# KiCad board DecentXL-keyboard.kicad_pcb
title: DecentXL keyboard - Modern; date: 2024-01-02; rev: 4
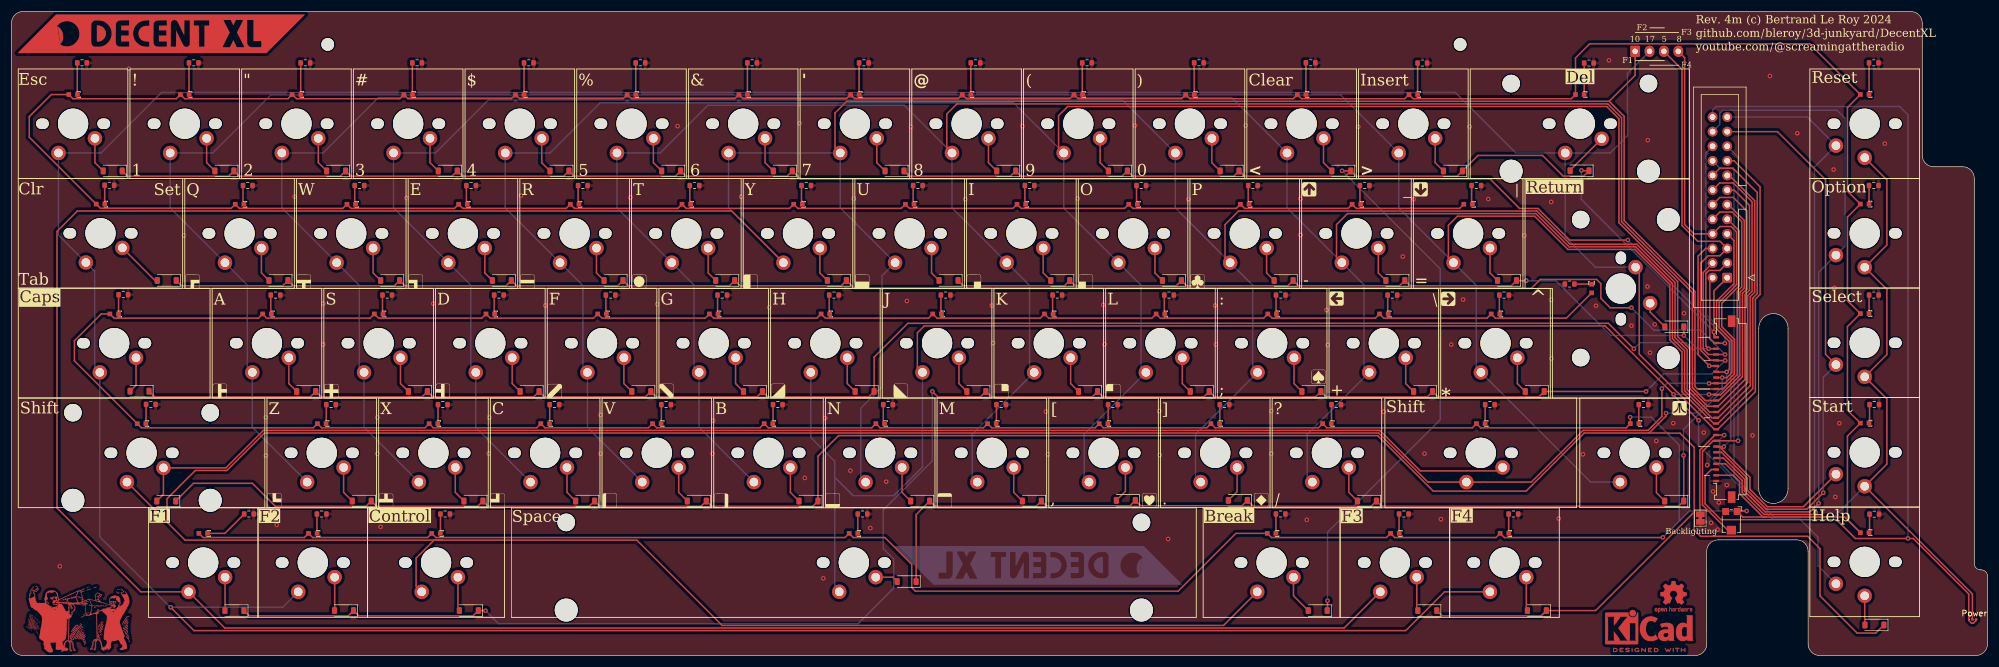
[diagram p0: board, top side]
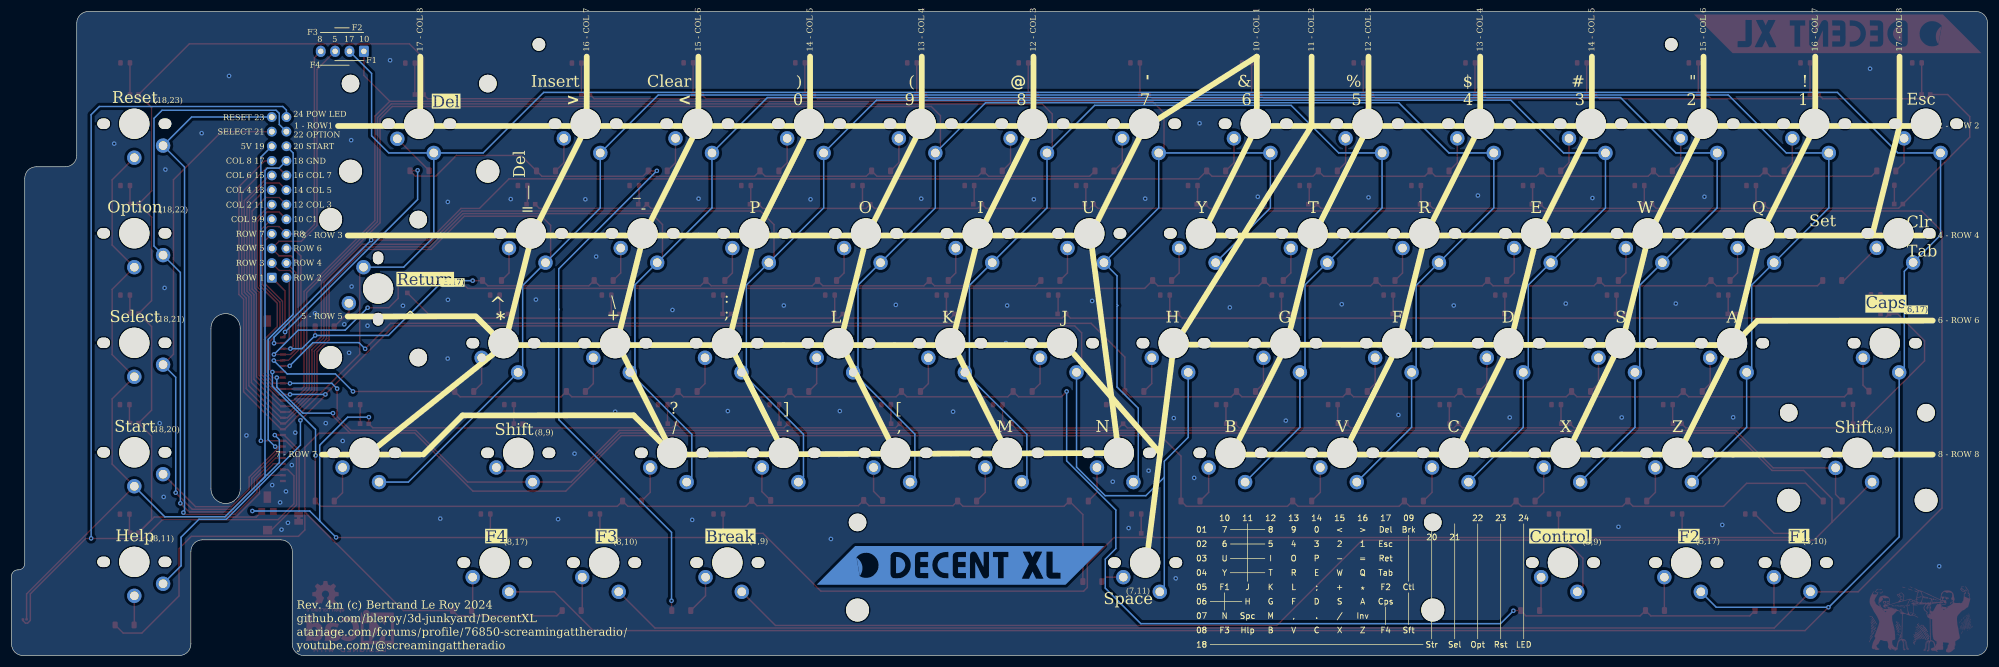
[diagram p1: board, bottom side, seen from below]

Outline 343.52 x 112 mm; copper layers: Top, Bottom. Coordinates in mm from the lower left corner of the outline.
Outline path: 0,110 arc(0.59,111.41) 2,112 330.18,112 arc(331.59,111.41) 332.18,110 332.18,87 arc(332.76,85.59) 334.18,85 339.22,85 arc(340.63,84.41) 341.22,83 341.22,15.99 arc(341.54,15.22) 342.31,14.9 342.43,14.89 arc(343.2,14.57) 343.52,13.8 343.52,2 arc(342.93,0.59) 341.52,0 314.33,0 arc(312.92,0.59) 312.33,2 312.33,18.11 arc(311.75,19.53) 310.33,20.11 296.71,20.11 arc(295.29,19.53) 294.71,18.11 294.72,2 arc(294.13,0.59) 292.72,0 2,0 arc(0.59,0.59) 0,2 0,110 ; 303.76,56.92 303.76,28.98 arc(306.3,26.44) 308.84,28.98 308.84,56.92 arc(306.3,59.46) 303.76,56.92

## Placement (name value [footprint] x y rotation side)
D1  1N4148W  [D_SOD-123]  153.51 84.27 180 top
D2  1N4148W  [D_SOD-123]  134.09 84.27 180 top
D3  1N4148W  [D_SOD-123]  162.91 65.22 180 top
D4  1N4148W  [D_SOD-123]  143.49 65.22 180 top
D5  1N4148W  [D_SOD-123]  38.76 7.82 180 top
D6  1N4148W  [D_SOD-123]  157.97 26.87 180 top
D7  1N4148W  [D_SOD-123]  246.13 7.82 180 top
D8  1N4148W  [D_SOD-123]  167.73 45.92 180 top
D9  1N4148W  [D_SOD-123]  148.32 45.92 180 top
D10  1N4148W  [D_SOD-123]  155.62 12.86 180 top
D11  1N4148W  [D_SOD-123]  323.86 5.31 180 top
D12  1N4148W  [D_SOD-123]  172.93 84.27 180 top
D13  1N4148W  [D_SOD-123]  114.68 84.27 180 top
D14  1N4148W  [D_SOD-123]  182.32 65.22 180 top
D15  1N4148W  [D_SOD-123]  124.08 65.22 180 top
D16  1N4148W  [D_SOD-123]  187.15 45.92 180 top
D17  1N4148W  [D_SOD-123]  128.9 45.92 180 top
D18  1N4148W  [D_SOD-123]  177.39 26.87 180 top
D19  1N4148W  [D_SOD-123]  138.55 26.87 180 top
D20  1N4148W  [D_SOD-123]  192.34 84.27 180 top
D21  1N4148W  [D_SOD-123]  95.26 84.27 180 top
D22  1N4148W  [D_SOD-123]  201.74 65.22 180 top
D23  1N4148W  [D_SOD-123]  104.66 65.22 180 top
D24  1N4148W  [D_SOD-123]  206.57 45.92 180 top
D25  1N4148W  [D_SOD-123]  109.49 45.92 180 top
D26  1N4148W  [D_SOD-123]  193.72 26.98 180 top
D27  1N4148W  [D_SOD-123]  119.14 26.87 180 top
D28  1N4148W  [D_SOD-123]  211.76 84.27 180 top
D29  1N4148W  [D_SOD-123]  75.84 84.27 180 top
D30  1N4148W  [D_SOD-123]  221.16 65.22 180 top
D31  1N4148W  [D_SOD-123]  85.24 65.22 180 top
D32  1N4148W  [D_SOD-123]  225.98 45.92 180 top
D33  1N4148W  [D_SOD-123]  90.07 45.92 180 top
D34  1N4148W  [D_SOD-123]  213.19 26.98 180 top
D35  1N4148W  [D_SOD-123]  99.72 26.87 180 top
D36  1N4148W  [D_SOD-123]  231.18 84.27 180 top
D37  1N4148W  [D_SOD-123]  56.43 84.27 180 top
D38  1N4148W  [D_SOD-123]  240.57 65.22 180 top
D39  1N4148W  [D_SOD-123]  65.83 65.22 180 top
D40  1N4148W  [D_SOD-123]  245.4 45.92 180 top
D41  1N4148W  [D_SOD-123]  70.65 45.92 180 top
D42  1N4148W  [D_SOD-123]  235.64 26.87 180 top
D43  1N4148W  [D_SOD-123]  80.3 26.87 180 top
D44  1N4148W  [D_SOD-123]  250.59 84.27 180 top
D45  1N4148W  [D_SOD-123]  37.01 84.27 180 top
D46  1N4148W  [D_SOD-123]  259.99 65.22 180 top
D47  1N4148W  [D_SOD-123]  46.41 65.22 180 top
D48  1N4148W  [D_SOD-123]  264.82 45.92 180 top
D49  1N4148W  [D_SOD-123]  51.24 45.92 180 top
D50  1N4148W  [D_SOD-123]  289.06 26.87 180 top
D51  1N4148W  [D_SOD-123]  60.89 26.87 180 top
D52  1N4148W  [D_SOD-123]  272.6 84.3 180 top
D53  1N4148W  [D_SOD-123]  17.6 84.27 180 top
D54  1N4148W  [D_SOD-123]  289.08 57.17 180 top
D55  1N4148W  [D_SOD-123]  26.99 65.22 180 top
D56  1N4148W  [D_SOD-123]  57.81 7.82 180 top
D57  1N4148W  [D_SOD-123]  22.26 45.97 180 top
D58  1N4148W  [D_SOD-123]  265.18 7.82 180 top
D59  1N4148W  [D_SOD-123]  227.08 7.82 180 top
D60  1N4148W  [D_SOD-123]  79.51 7.82 180 top
D61  1N4148W  [D_SOD-123]  26.91 26.87 180 top
G***  -  [LOGO]  147.89 65.03 0 top
G***#2  -  [LOGO]  133.27 46.03 0 top
G***#3  -  [LOGO]  94.44 45.98 0 top
G***#4  -  [LOGO]  227.22 48.45 0 top
G***#5  -  [LOGO]  103.99 26.98 0 top
G***#6  -  [LOGO]  154.59 46.03 0 top
G***#7  -  [LOGO]  128.47 65.03 0 top
G***#8  -  [LOGO]  55.61 45.98 0 top
G***#9  -  [LOGO]  84.52 26.93 0 top
G***#10  -  [LOGO]  113.86 46.03 0 top
G***#11  -  [LOGO]  289.99 43.03 0 top
G***#12  -  [LOGO]  167.31 65.03 0 top
G***#13  -  [LOGO]  162.24 26.98 0 top
G***#14  -  [LOGO]  50.81 65.03 0 top
G***#15  -  [LOGO]  230.36 62.08 270 top
G***#16  -  [LOGO]  217.27 27 0 top
G***#17  -  [LOGO]  45.69 26.98 0 top
G***#18  -  [LOGO]  244.97 81.08 0 top
G***#19  -  [LOGO]  123.36 26.93 0 top
G***#20  -  [LOGO]  186.77 65.03 0 top
G***#21  -  [LOGO]  31.44 65.03 0 top
G***#22  -  [LOGO]  172.11 45.98 0 top
G***#23  -  [LOGO]  191.52 45.98 0 top
G***#24  -  [LOGO]  36.19 46.03 0 top
G***#25  -  [LOGO]  142.77 26.98 0 top
G***#26  -  [LOGO]  89.69 65.03 0 top
G***#27  -  [LOGO]  109.11 65.03 0 top
G***#28  -  [LOGO]  225.61 81.08 180 top
G***#29  -  [LOGO]  197.81 27 0 top
G***#30  -  [LOGO]  74.97 46.03 0 top
G***#31  -  [LOGO]  65.11 26.93 0 top
G***#32  LOGO  [ScreamingAtTheRadio]  11.67 7.36 0 top
G***#33  -  [LOGO]  26.05 108.14 0 top
G***#34  -  [LOGO]  206.19 65.03 0 top
G***#35  -  [LOGO]  249.77 62.03 90 top
G***#36  -  [LOGO]  70.27 65.03 0 top
G***#37  -  [DecentXL Logo]  178.54 15.7 180 bottom
J1  Conn_02x12_Odd_Even  [IDC-Header_2x12_P2.54mm_Vertical]  298.27 65.71 180 top
J2  Conn_01x26  [Molex_200528-0260_1x26-1MP_P1.00mm_Horizontal]  297.25 42.85 90 top
J3  Conn_01x04  [JST_EH_S4B-EH_1x04_P2.50mm_Horizontal]  282.26 105.08 0 bottom
JP2  SolderJumper_2_Bridged  [SolderJumper-2_P1.3mm_Bridged_Pad1.0x1.5mm]  293.6 23.9 270 top
Power  LED  [LED_0201_0603Metric]  341.22 6.28 0 top
R1  100  [R_0603_1608Metric]  148.18 103.07 0 top
R2  100  [R_0603_1608Metric]  128.76 103.07 0 top
R3  100  [R_0603_1608Metric]  157.57 81.73 0 top
R4  100  [R_0603_1608Metric]  138.16 81.73 0 top
R5  100  [R_0603_1608Metric]  41.28 24.61 0 top
R6  100  [R_0603_1608Metric]  152.38 43.63 0 top
R7  100  [R_0603_1608Metric]  242.05 24.61 0 top
R8  100  [R_0603_1608Metric]  162.4 62.68 0 top
R9  100  [R_0603_1608Metric]  142.98 62.68 0 top
R10  100  [R_0603_1608Metric]  147.95 24.61 0 top
R11  100  [R_0603_1608Metric]  323.84 24.58 0 top
R12  100  [R_0603_1608Metric]  167.59 103.07 0 top
R13  100  [R_0603_1608Metric]  109.34 103.07 0 top
R14  100  [R_0603_1608Metric]  176.99 81.73 0 top
R15  100  [R_0603_1608Metric]  118.74 81.73 0 top
R16  100  [R_0603_1608Metric]  181.82 62.68 0 top
R17  100  [R_0603_1608Metric]  123.57 62.68 0 top
R18  100  [R_0603_1608Metric]  172.05 43.63 0 top
R19  100  [R_0603_1608Metric]  133.22 43.63 0 top
R20  100  [R_0603_1608Metric]  186.97 103.07 0 top
R21  100  [R_0603_1608Metric]  89.93 103.07 0 top
R22  100  [R_0603_1608Metric]  196.41 81.73 0 top
R23  100  [R_0603_1608Metric]  99.33 81.73 0 top
R24  100  [R_0603_1608Metric]  201.23 62.68 0 top
R25  100  [R_0603_1608Metric]  104.15 62.68 0 top
R26  100  [R_0603_1608Metric]  191.47 43.63 0 top
R27  100  [R_0603_1608Metric]  113.8 43.63 0 top
R28  100  [R_0603_1608Metric]  206.43 103.08 0 top
R29  100  [R_0603_1608Metric]  70.51 103.07 0 top
R30  100  [R_0603_1608Metric]  215.82 81.73 0 top
R31  100  [R_0603_1608Metric]  79.91 81.73 0 top
R32  100  [R_0603_1608Metric]  220.65 62.68 0 top
R33  100  [R_0603_1608Metric]  84.73 62.68 0 top
R34  100  [R_0603_1608Metric]  210.88 43.63 0 top
R35  100  [R_0603_1608Metric]  94.39 43.63 0 top
R36  100  [R_0603_1608Metric]  225.85 103.08 0 top
R37  100  [R_0603_1608Metric]  51.09 103.07 0 top
R38  100  [R_0603_1608Metric]  235.24 81.73 0 top
R39  100  [R_0603_1608Metric]  60.49 81.73 0 top
R40  100  [R_0603_1608Metric]  240.07 62.68 0 top
R41  100  [R_0603_1608Metric]  65.32 62.68 0 top
R42  100  [R_0603_1608Metric]  230.3 43.63 0 top
R43  100  [R_0603_1608Metric]  74.97 43.63 0 top
R44  100  [R_0603_1608Metric]  245.27 103.03 0 top
R45  100  [R_0603_1608Metric]  31.68 103.07 0 top
R46  100  [R_0603_1608Metric]  254.66 81.73 0 top
R47  100  [R_0603_1608Metric]  41.08 81.73 0 top
R48  100  [R_0603_1608Metric]  259.48 62.68 0 top
R49  100  [R_0603_1608Metric]  45.9 62.68 0 top
R50  100  [R_0603_1608Metric]  283.72 43.63 0 top
R51  100  [R_0603_1608Metric]  55.55 43.63 0 top
R52  100  [R_0603_1608Metric]  12.26 103.07 0 top
R53  100  [R_0603_1608Metric]  274.23 103.03 0 top
R54  100  [R_0603_1608Metric]  270.87 64.6 180 top
R55  100  [R_0603_1608Metric]  17.02 81.78 0 top
R56  100  [R_0603_1608Metric]  53.92 24.61 0 top
R57  100  [R_0603_1608Metric]  19.44 62.74 0 top
R58  100  [R_0603_1608Metric]  261.1 24.61 0 top
R59  100  [R_0603_1608Metric]  220.64 24.61 0 top
R60  100  [R_0603_1608Metric]  75.4 24.61 0 top
R61  100  [R_0603_1608Metric]  257.01 43.63 0 top
R63  100  [R_0603_1608Metric]  24.22 43.67 0 top
R64  100  [R_0603_1608Metric]  323.84 43.63 0 top
R65  100  [R_0603_1608Metric]  323.76 62.68 0 top
R67  100  [R_0603_1608Metric]  323.75 81.73 0 top
R68  100  [R_0603_1608Metric]  323.75 103.07 0 top
REF**  -  [OSHW-Logo2_7.3x6mm_Copper]  288.94 10.2 0 top
REF**#2  -  [MountingHole_2.2mm_M2]  251.84 106.27 0 top
REF**#3  -  [KiCad-Logo2_6mm_Copper]  284.7 4.96 0 top
REF**#4  -  [MountingHole_2.2mm_M2]  54.98 106.27 0 top
REF**#5  -  [AtariXL_Matrix]  106.62 13.39 180 bottom
RV1  R_Potentiometer  [Potentiometer_Bourns_TC33X_Vertical]  299 23.25 270 top
SW0  0  [MX-1-00U-LED]  204.87 97.56 0 top
SW1  1  [MX-1-00U-LED]  30.12 97.56 0 top
SW2  2  [MX-1-00U-LED]  49.54 97.56 0 top
SW3  3  [MX-1-00U-LED]  68.96 97.56 0 top
SW4  4  [MX-1-00U-LED]  88.37 97.56 0 top
SW5  5  [MX-1-00U-LED]  107.79 97.56 0 top
SW6  6  [MX-1-00U-LED]  127.2 97.56 0 top
SW7  7  [MX-1-00U-LED]  146.62 97.56 0 top
SW8  8  [MX-1-00U-LED]  166.04 97.56 0 top
SW9  9  [MX-1-00U-LED]  185.45 97.56 0 top
SWA1  A  [MX-1-00U-LED]  44.41 59.4 0 top
SWB1  B  [MX-1-00U-LED]  131.6 40.32 0 top
SWBrk1  Break  [MX-1-25U-LED]  219.07 21.24 0 top
SWC1  C  [MX-1-00U-LED]  92.77 40.32 0 top
SWComma1  Comma  [MX-1-00U-LED]  189.85 40.32 0 top
SWCps1  Caps  [MX-1-75U-LED]  17.85 59.4 0 top
SWCtl1  Control  [MX-1-25U-LED]  73.81 21.24 0 top
SWD1  D  [MX-1-00U-LED]  83.24 59.4 0 top
SWDash1  Dash  [MX-1-00U-LED]  233.81 78.48 0 top
SWDel1  Del  [MX-2-00U-LED]  272.64 97.56 0 top
SWE1  E  [MX-1-00U-LED]  78.48 78.48 0 top
SWEqual1  Equal  [MX-1-00U-LED]  253.23 78.48 0 top
SWEsc1  Esc  [MX-1-00U-LED]  10.71 97.56 0 top
SWF1  F  [MX-1-00U-LED]  102.66 59.4 0 top
SWFn1  F1  [MX-1-00U-LED]  33.33 21.24 0 top
SWFn2  F2  [MX-1-00U-LED]  52.38 21.24 0 top
SWFn3  F3  [MX-1-00U-LED]  240.5 21.24 0 top
SWFn4  F4  [MX-1-00U-LED]  259.55 21.24 0 top
SWG1  G  [MX-1-00U-LED]  122.08 59.4 0 top
SWGT1  GreaterThan  [MX-1-00U-LED]  243.7 97.56 0 top
SWH1  H  [MX-1-00U-LED]  141.49 59.4 0 top
SWHlp1  Help  [Choc-1-00U-LED]  322.17 21.36 0 top
SWI1  I  [MX-1-00U-LED]  175.56 78.48 0 top
SWInv1  Inverse  [MX-1-00U-LED]  282.17 40.32 0 top
SWJ1  J  [MX-1-00U-LED]  160.91 59.4 0 top
SWK1  K  [MX-1-00U-LED]  180.32 59.4 0 top
SWL1  L  [MX-1-00U-LED]  199.74 59.4 0 top
SWLeftSft1  Shift  [MX-2-25U-LED]  22.61 40.32 0 top
SWLT1  LessThan  [MX-1-00U-LED]  224.29 97.56 0 top
SWM1  M  [MX-1-00U-LED]  170.43 40.32 0 top
SWN1  N  [MX-1-00U-LED]  151.02 40.32 0 top
SWO1  O  [MX-1-00U-LED]  194.98 78.48 0 top
SWOption1  Option  [Choc-1-00U-LED]  322.17 78.51 0 top
SWP1  P  [MX-1-00U-LED]  214.39 78.48 0 top
SWPeriod1  Period  [MX-1-00U-LED]  209.27 40.32 0 top
SWPlus1  Plus  [MX-1-00U-LED]  238.57 59.4 0 top
SWQ1  Q  [MX-1-00U-LED]  39.65 78.48 0 top
SWR1  R  [MX-1-00U-LED]  97.9 78.48 0 top
SWReset1  Reset  [Choc-1-00U-LED]  322.17 97.56 0 top
SWRet2  Return  [MX-ISO-RETURN]  274.71 63.81 0 top
SWRightSft1  Shift  [MX-1-75U-LED]  255.43 40.32 0 top
SWS1  S  [MX-1-00U-LED]  63.83 59.4 0 top
SWSelect1  Select  [Choc-1-00U-LED]  322.17 59.46 0 top
SWSemi1  Semicolon  [MX-1-00U-LED]  219.16 59.4 0 top
SWSlash1  Slash  [MX-1-00U-LED]  228.68 40.32 0 top
SWSpc1  Space  [MX-6-25-U-LED]  146.44 21.24 0 top
SWStar1  Star  [MX-1-00U-LED]  257.99 59.4 0 top
SWStart1  Start  [Choc-1-00U-LED]  322.17 40.41 0 top
SWT1  T  [MX-1-00U-LED]  117.31 78.48 0 top
SWTab1  Tab  [MX-1-50U-LED]  15.47 78.51 0 top
SWU1  U  [MX-1-00U-LED]  156.15 78.48 0 top
SWV1  V  [MX-1-00U-LED]  112.18 40.32 0 top
SWW1  W  [MX-1-00U-LED]  59.06 78.48 0 top
SWX1  X  [MX-1-00U-LED]  73.35 40.32 0 top
SWY1  Y  [MX-1-00U-LED]  136.73 78.48 0 top
SWZ1  Z  [MX-1-00U-LED]  53.93 40.32 0 top

## Library data of the parts
D1-D61 = -: Description: 75V 0.15A Fast Switching Diode, SOD-123; JLCPCB Part #: C81598
J1 = -: Description: Generic connector, double row, 02x12, odd/even pin numbering scheme (row 1 odd numbers, row 2 even numbers), script generated (kicad-library-utils/schlib/autogen/connector/)
J2 = -: Description: Generic connector, single row, 01x26, script generated (kicad-library-utils/schlib/autogen/connector/); JLCPCB Part #: C60248
J3 = -: Description: Generic connector, single row, 01x04, script generated (kicad-library-utils/schlib/autogen/connector/)
JP2 = -: Description: Solder Jumper, 2-pole, closed/bridged
Power = -: Description: Light emitting diode; JLCPCB Part #: C81598
R1-R61 R63-R65 R67 R68 = -: Description: Resistor; JLCPCB Part #: C22775
RV1 = -: Description: Potentiometer; JLCPCB Part #: C720647; JLCPCB Rotation Offset: 180; Field6: Wiper may be / anywhere within / circle shown
SW0-SW9 SWA1 SWB1 SWBrk1 SWC1 SWComma1 SWCps1 SWCtl1 SWD1 SWDash1 SWDel1 SWE1 SWEqual1 SWEsc1 SWF1 SWFn1-SWFn4 SWG1 SWGT1 SWH1 SWHlp1 SWI1 SWInv1 SWJ1 SWK1 SWL1 SWLeftSft1 SWLT1 SWM1 SWN1 SWO1 SWOption1 SWP1 SWPeriod1 SWPlus1 SWQ1 SWR1 SWReset1 SWRet2 SWRightSft1 SWS1 SWSelect1 SWSemi1 SWSlash1 SWSpc1 SWStar1 SWStart1 SWT1 SWTab1 SWU1 SWV1 SWW1 SWX1 SWY1 SWZ1 = -: JLCPCB Part #: C193191; JLCPCB Rotation Offset: 180

## Footprints (pads in the part's own frame, mm; a bottom-side part is the same pattern mirrored in y, then rotated)
Choc-1-00U-LED
  oval 2.2x1.8 hole 2.2x1.8 unplated: (-5.33,-5.08) (5.33,-5.08)
  round 5.25 hole 5.25 unplated: (0,-5.08)
  round 2.5 hole 1.499: 1(-5,-8.88) 2(0,-10.98)
  rect 0.8x0.8 smd: 3(0.75,0) 4(-0.75,0)
D_SOD-123
  rrect 0.9x1.2 smd: 1(-1.65,0) 2(1.65,0)
IDC-Header_2x12_P2.54mm_Vertical
  rrect 1.7x1.7 hole 1: 1(0,0)
  round 1.7 hole 1: 2(2.54,0) 3(0,-2.54) 4(2.54,-2.54) 5(0,-5.08) 6(2.54,-5.08) 7(0,-7.62) 8(2.54,-7.62) 9(0,-10.16) 10(2.54,-10.16) 11(0,-12.7) 12(2.54,-12.7) 13(0,-15.24) 14(2.54,-15.24) 15(0,-17.78) 16(2.54,-17.78) 17(0,-20.32) 18(2.54,-20.32) 19(0,-22.86) 20(2.54,-22.86) 21(0,-25.4) 22(2.54,-25.4) 23(0,-27.94) 24(2.54,-27.94)
JST_EH_S4B-EH_1x04_P2.50mm_Horizontal
  rrect 1.7x1.95 hole 0.95: 1(0,0)
  oval 1.7x1.95 hole 0.95: 2(2.5,0) 3(5,0) 4(7.5,0)
LED_0201_0603Metric
  rrect 0.318x0.36 smd: (-0.345,0) (0.345,0)
  rrect 0.46x0.4 smd: 1(-0.32,0) 2(0.32,0)
Molex_200528-0260_1x26-1MP_P1.00mm_Horizontal
  rect 0.4x1 smd: 1(12.5,0.91) 2(11.5,0.91) 3(10.5,0.91) 4(9.5,0.91) 5(8.5,0.91) 6(7.5,0.91) 7(6.5,0.91) 8(5.5,0.91) 9(4.5,0.91) 10(3.5,0.91) 11(2.5,0.91) 12(1.5,0.91) 13(0.5,0.91) 14(-0.5,0.91) 15(-1.5,0.91) 16(-2.5,0.91) 17(-3.5,0.91) 18(-4.5,0.91) 19(-5.5,0.91) 20(-6.5,0.91) 21(-7.5,0.91) 22(-8.5,0.91) 23(-9.5,0.91) 24(-10.5,0.91) 25(-11.5,0.91) 26(-12.5,0.91)
  rect 2x1.3 smd: MP(-15.3,-1.79) MP(15.3,-1.79)
MountingHole_2.2mm_M2
  round 2.2 hole 2.2 unplated: (0,0)
MX-1-00U-LED
  oval 2.2x1.8 hole 2.2x1.8 unplated: (-5.33,-5.08) (5.33,-5.08)
  round 5.25 hole 5.25 unplated: (0,-5.08)
  round 2.5 hole 1.499: 1(-2.54,-10.16) 2(3.8,-7.62)
  rect 0.8x0.8 smd: 3(0.75,0) 4(-0.75,0)
MX-1-25U-LED
  oval 2.2x1.8 hole 2.2x1.8 unplated: (-5.33,-5.08) (5.33,-5.08)
  round 5.25 hole 5.25 unplated: (0,-5.08)
  round 2.5 hole 1.499: 1(-2.5,-10.16) 2(3.8,-7.62)
  rect 0.8x0.8 smd: 3(0.75,0) 4(-0.75,0)
MX-1-50U-LED
  oval 2.2x1.8 hole 2.2x1.8 unplated: (-5.33,-5.08) (5.33,-5.08)
  round 5.25 hole 5.25 unplated: (0,-5.08)
  round 2.5 hole 1.499: 1(-2.54,-10.16) 2(3.8,-7.62)
  rect 0.8x0.8 smd: 3(0.75,0) 4(-0.75,0)
MX-1-75U-LED
  oval 2.2x1.8 hole 2.2x1.8 unplated: (-5.33,-5.08) (5.33,-5.08)
  round 5.25 hole 5.25 unplated: (0,-5.08)
  round 2.5 hole 1.499: 1(-2.5,-10.16) 2(3.8,-7.62)
  rect 0.8x0.8 smd: 3(0.75,0) 4(-0.75,0)
MX-2-00U-LED
  round 3.048 hole 3.048 unplated: (-11.938,1.905) (11.938,1.905)
  round 3.988 hole 3.988 unplated: (-11.938,-13.335) (11.938,-13.335)
  oval 2.2x1.8 hole 2.2x1.8 unplated: (-5.33,-5.08) (5.33,-5.08)
  round 5.25 hole 5.25 unplated: (0,-5.08)
  round 2.5 hole 1.499: 1(-2.54,-10.16) 2(3.8,-7.69)
  rect 0.8x0.8 smd: 3(0.75,0) 4(-0.75,0)
MX-2-25U-LED
  round 3.048 hole 3.048 unplated: (-11.938,1.905) (11.938,1.905)
  round 3.988 hole 3.988 unplated: (-11.938,-13.335) (11.938,-13.335)
  oval 2.2x1.8 hole 2.2x1.8 unplated: (-5.33,-5.08) (5.33,-5.08)
  round 5.25 hole 5.25 unplated: (0,-5.08)
  round 2.5 hole 1.499: 1(-2.54,-10.16) 2(3.8,-7.69)
  rect 0.8x0.8 smd: 3(0.75,0) 4(-0.75,0)
MX-6-25-U-LED
  round 3.048 hole 3.048 unplated: (-50,1.905) (50,1.905)
  round 3.988 hole 3.988 unplated: (-50,-13.335) (50,-13.335)
  oval 2.2x1.8 hole 2.2x1.8 unplated: (-5.33,-5.08) (5.33,-5.08)
  round 5.25 hole 5.25 unplated: (0,-5.08)
  round 2.5 hole 1.499: 1(-2.54,-10.16) 2(3.8,-7.62)
  rect 0.8x0.8 smd: 3(0.686,0) 4(-0.814,0)
MX-ISO-RETURN
  round 3.048 hole 3.048 unplated: (-1.905,12) (-1.905,-12)
  oval 1.8x2.2 hole 1.8x2.2 unplated: (5.08,5.33) (5.08,-5.33)
  round 5.25 hole 5.25 unplated: (5.08,0)
  round 3.988 hole 3.988 unplated: (13.335,12) (13.335,-12)
  round 2.5 hole 1.499: 1(7.62,3.72) 2(10.16,-2.54)
  rect 0.8x0.8 smd: 3(0,0.75) 4(0,-0.75)
Potentiometer_Bourns_TC33X_Vertical
  rect 1.2x1.2 smd: 1(-1.8,1) 3(-1.8,-1)
  rect 1.5x1.6 smd: 2(1.45,0)
R_0603_1608Metric
  rrect 0.8x0.95 smd: 1(-0.825,0) 2(0.825,0)
SolderJumper-2_P1.3mm_Bridged_Pad1.0x1.5mm
  rect 1x1.5 smd: 1(-0.65,0) 2(0.65,0)

## Nets
GND: J1.18 J2.18 JP2.1 Power.1 SWOption1.2 SWReset1.2 SWSelect1.2 SWStart1.2
VCC_LED: J2.25 RV1.1 SW0.4 SW1.4 SW2.4 SW3.4 SW4.4 SW5.4 SW6.4 SW7.4 SW8.4 SW9.4 SWA1.4 SWB1.4 SWBrk1.4 SWC1.4 SWComma1.4 SWCps1.4 SWCtl1.4 SWD1.4 SWDash1.4 SWDel1.4 SWE1.4 SWEqual1.4 SWEsc1.4 SWF1.4 SWFn1.4 SWFn2.4 SWFn3.4 SWFn4.4 SWG1.4 SWGT1.4 SWH1.4 SWHlp1.4 SWI1.4 SWInv1.4 SWJ1.4 SWK1.4 SWL1.4 SWLeftSft1.4 SWLT1.4 SWM1.4 SWN1.4 SWO1.4 SWOption1.4 SWP1.4 SWPeriod1.4 SWPlus1.4 SWQ1.4 SWR1.4 SWReset1.4 SWRet2.4 SWRightSft1.4 SWS1.4 SWSelect1.4 SWSemi1.4 SWSlash1.4 SWSpc1.4 SWStar1.4 SWStart1.4 SWT1.4 SWTab1.4 SWU1.4 SWV1.4 SWW1.4 SWX1.4 SWY1.4 SWZ1.4
COL_1: J1.10 J2.10 J3.1 SW6.1 SW7.1 SWFn1.1 SWFn3.1 SWN1.1 SWU1.1 SWY1.1
COL_2: J1.11 J2.11 SWH1.1 SWHlp1.1 SWJ1.1 SWSpc1.1
COL_3: J1.12 J2.12 SW5.1 SW8.1 SWB1.1 SWG1.1 SWI1.1 SWK1.1 SWM1.1 SWT1.1
COL_4: J1.13 J2.13 SW4.1 SW9.1 SWComma1.1 SWF1.1 SWL1.1 SWO1.1 SWR1.1 SWV1.1
COL_5: J1.14 J2.14 SW0.1 SW3.1 SWC1.1 SWD1.1 SWE1.1 SWP1.1 SWPeriod1.1 SWSemi1.1
COL_6: J1.15 J2.15 SW2.1 SWDash1.1 SWLT1.1 SWPlus1.1 SWS1.1 SWSlash1.1 SWW1.1 SWX1.1
COL_7: J1.16 J2.16 SW1.1 SWA1.1 SWEqual1.1 SWGT1.1 SWInv1.1 SWQ1.1 SWStar1.1 SWZ1.1
COL_8: J1.17 J2.17 J3.2 SWCps1.1 SWDel1.1 SWEsc1.1 SWFn2.1 SWFn4.1 SWRet2.1 SWTab1.1
COL_9: J1.9 J2.9 SWBrk1.1 SWCtl1.1 SWLeftSft1.1 SWRightSft1.1
LED_GND: J2.26 JP2.2 R1.2 R2.2 R3.2 R4.2 R5.2 R6.2 R7.2 R8.2 R9.2 R10.2 R11.2 R12.2 R13.2 R14.2 R15.2 R16.2 R17.2 R18.2 R19.2 R20.2 R21.2 R22.2 R23.2 R24.2 R25.2 R26.2 R27.2 R28.2 R29.2 R30.2 R31.2 R32.2 R33.2 R34.2 R35.2 R36.2 R37.2 R38.2 R39.2 R40.2 R41.2 R42.2 R43.2 R44.2 R45.2 R46.2 R47.2 R48.2 R49.2 R50.2 R51.2 R52.2 R53.2 R54.2 R55.2 R56.2 R57.2 R58.2 R59.2 R60.2 R61.2 R63.2 R64.2 R65.2 R67.2 R68.2
OPTION: J1.22 J2.22 SWOption1.1
POWER: J1.19 J2.19 RV1.2
PWR_LED: J1.24 J2.24 Power.2
RESET: J1.23 J2.23 SWReset1.1
ROW_1: D1.1 D12.1 D20.1 D28.1 D36.1 D44.1 D52.1 D59.1 J1.1 J2.1
ROW_2: D2.1 D13.1 D21.1 D29.1 D37.1 D45.1 D53.1 J1.2 J2.2
ROW_3: D3.1 D14.1 D22.1 D30.1 D38.1 D46.1 D54.1 J1.3 J2.3
ROW_4: D4.1 D15.1 D23.1 D31.1 D39.1 D47.1 D55.1 J1.4 J2.4
ROW_5: D5.1 D8.1 D16.1 D24.1 D32.1 D40.1 D48.1 D56.1 D60.1 J1.5 J2.5 J3.3
ROW_6: D9.1 D17.1 D25.1 D33.1 D41.1 D49.1 D57.1 J1.6 J2.6
ROW_7: D6.1 D10.1 D18.1 D26.1 D34.1 D42.1 D50.1 J1.7 J2.7
ROW_8: D7.1 D11.1 D19.1 D27.1 D35.1 D43.1 D51.1 D58.1 D61.1 J1.8 J2.8 J3.4
SELECT: J1.21 J2.21 SWSelect1.1
START: J1.20 J2.20 SWStart1.1
Net-(D1-A): D1.2 SW7.2
Net-(D2-A): D2.2 SW6.2
Net-(D3-A): D3.2 SWU1.2
Net-(D4-A): D4.2 SWY1.2
Net-(D5-A): D5.2 SWFn1.2
Net-(D6-A): D6.2 SWN1.2
Net-(D7-A): D7.2 SWFn3.2
Net-(D8-A): D8.2 SWJ1.2
Net-(D9-A): D9.2 SWH1.2
Net-(D10-A): D10.2 SWSpc1.2
Net-(D11-A): D11.2 SWHlp1.2
Net-(D12-A): D12.2 SW8.2
Net-(D13-A): D13.2 SW5.2
Net-(D14-A): D14.2 SWI1.2
Net-(D15-A): D15.2 SWT1.2
Net-(D16-A): D16.2 SWK1.2
Net-(D17-A): D17.2 SWG1.2
Net-(D18-A): D18.2 SWM1.2
Net-(D19-A): D19.2 SWB1.2
Net-(D20-A): D20.2 SW9.2
Net-(D21-A): D21.2 SW4.2
Net-(D22-A): D22.2 SWO1.2
Net-(D23-A): D23.2 SWR1.2
Net-(D24-A): D24.2 SWL1.2
Net-(D25-A): D25.2 SWF1.2
Net-(D26-A): D26.2 SWComma1.2
Net-(D27-A): D27.2 SWV1.2
Net-(D28-A): D28.2 SW0.2
Net-(D29-A): D29.2 SW3.2
Net-(D30-A): D30.2 SWP1.2
Net-(D31-A): D31.2 SWE1.2
Net-(D32-A): D32.2 SWSemi1.2
Net-(D33-A): D33.2 SWD1.2
Net-(D34-A): D34.2 SWPeriod1.2
Net-(D35-A): D35.2 SWC1.2
Net-(D36-A): D36.2 SWLT1.2
Net-(D37-A): D37.2 SW2.2
Net-(D38-A): D38.2 SWDash1.2
Net-(D39-A): D39.2 SWW1.2
Net-(D40-A): D40.2 SWPlus1.2
Net-(D41-A): D41.2 SWS1.2
Net-(D42-A): D42.2 SWSlash1.2
Net-(D43-A): D43.2 SWX1.2
Net-(D44-A): D44.2 SWGT1.2
Net-(D45-A): D45.2 SW1.2
Net-(D46-A): D46.2 SWEqual1.2
Net-(D47-A): D47.2 SWQ1.2
Net-(D48-A): D48.2 SWStar1.2
Net-(D49-A): D49.2 SWA1.2
Net-(D50-A): D50.2 SWInv1.2
Net-(D51-A): D51.2 SWZ1.2
Net-(D52-A): D52.2 SWDel1.2
Net-(D53-A): D53.2 SWEsc1.2
Net-(D54-A): D54.2 SWRet2.2
Net-(D55-A): D55.2 SWTab1.2
Net-(D56-A): D56.2 SWFn2.2
Net-(D57-A): D57.2 SWCps1.2
Net-(D58-A): D58.2 SWFn4.2
Net-(D59-A): D59.2 SWBrk1.2
Net-(D60-A): D60.2 SWCtl1.2
Net-(D61-A): D61.2 SWLeftSft1.2 SWRightSft1.2
Net-(R1-Pad1): R1.1 SW7.3
Net-(R2-Pad1): R2.1 SW6.3
Net-(R3-Pad1): R3.1 SWU1.3
Net-(R4-Pad1): R4.1 SWY1.3
Net-(R5-Pad1): R5.1 SWFn1.3
Net-(R6-Pad1): R6.1 SWN1.3
Net-(R7-Pad1): R7.1 SWFn3.3
Net-(R8-Pad1): R8.1 SWJ1.3
Net-(R9-Pad1): R9.1 SWH1.3